# Altium PCB Dental Support.PcbDoc (part 2 of 2)
Units mm, origin at the board's own origin, x right, y up, seen from the top; angles counter-clockwise.
Board outline 100 x 55 mm, 2 copper layers (Top Layer, Bottom Layer); 47 components, 41 nets, 177 pads, 86 vias.
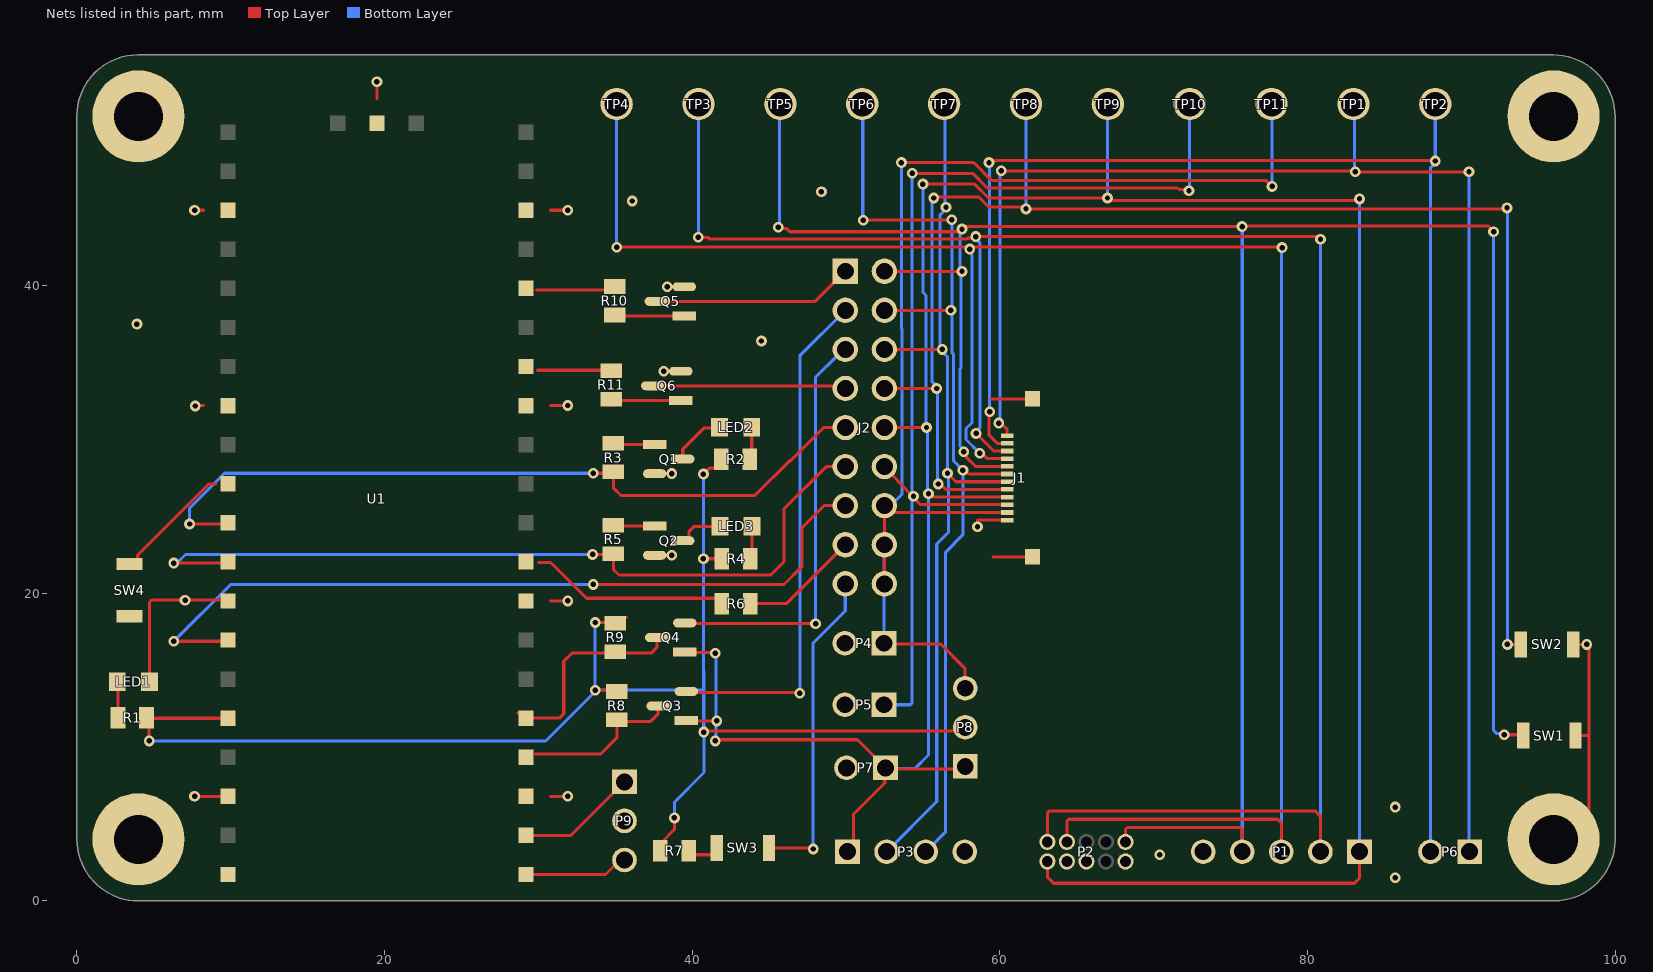
[diagram p2: the nets of this part, all layers, seen from the top]

## Part data
J1: library part CMP-1241-00358-1, "0.5 mm Pitch Easy-On(TM) Type FPC Connector, 2.0 mm Mated Height, Right Angle, ZIF, SMT, Top Contact, 12 Circuits, -20 to 85 degC, ELV and RoHS Compliant, Tape and Reel", Current (Max per Contact)=0.5A, Manufacturer=Molex, Voltage (Max)=50V, Circuits (Loaded)=12, ComponentLink1Description="Manufacturer URL", ComponentLink1URL=http://www.molex.com/molex/index.jsp, ComponentLink2Description=Datasheet, ComponentLink2URL=http://www.molex.com/webdocs/datasheets/pdf/en-us/0527451297_FFC_FPC_CONNECTORS.pdf, ComponentLink3Description="Package Specification", ComponentLink3URL=http://www.molex.com/pdm_docs/sd/527451297_sd.pdf, Contact Position=Top, Durability (mating cycles max)=20, Entry Angle="90degrees Angle", Mated Height=2.00mm, Material - Metal="Phosphor Bronze", Material - Plating Mating=Gold, Material - Plating Termination=Gold, Mounting Technology="Surface Mount", Number of Rows=1, Orientation="Right Angle", PackageDescription="12-Lead FPC Connector, Pitch 0.5 mm", PackageReference=52745-1297, PackageVersion="Rev. C, 07/2010", Packing="Tape and Reel", PartNumber=52745-1297, PCB Locator=No, PCB Retention=Yes, Pitch - Mating Interface=0.50mm, Polarized to PCB=Yes, RoHS=TRUE, Stackable=No
J2: library part CMP-1502-01101-1, "THT Vertical Pin Header WR-PHD, Pitch 2.54 mm, Dual Row, 18 pins", Contact Resistance=20mOhm, Manufacturer="Wurth Elektronik", Operating Temperature=-40to105degC, Rated Current=3A, Withstanding Voltage=500VAC, Working Voltage=250VAC, Datasheet URL=https://katalog.we-online.de/em/datasheet/6130xx21121.pdf, Gender=Male, Manufacturer URL=http://www.we-online.de, Mounting Technology=THT, Orientation=Vertical, Package Reference=61301821121, Packaging=Bag, Part Number=61301821121, Pin Number=18, Pitch=2.54mm, Publisher=WurthElektronik, Row Number=Dual
LED1 LED2 LED3: library part CMP-1426-00010-2, "LED RED CLEAR 0805 SMD", Case Code (Imperial)=0805, Case Code (Metric)=2012, Color=Red, Forward Current=30mA, Forward Voltage=1.9V, Lens Color=Colorless, Max Operating Temperature=85°C, Min Operating Temperature=-40°C, Package Quantity=1, Test Current=20mA, Case/Package=0805, Dominant Wavelength=630nm, Height=0.8mm, Length=2mm, Lens Size=1.25mm, Lens Style=Clear, Lens Transparency=Clear, Luminous Intensity=60mcd, Mount="Surface Mount", Packaging="Cut Tape", RoHS Compliant=Yes, Series=WL-SMCW, Viewing Angle=140°, Wavelength=630nm, Width=1.25mm
P1: library part CMP-1502-01068-1, "THT Vertical Pin Header WR-PHD, Pitch 2.54 mm, Single Row, 5 pins", Contact Resistance=20mOhm, Manufacturer="Wurth Elektronik", Operating Temperature=-40to105degC, Rated Current=3A, Withstanding Voltage=500VAC, Working Voltage=250VAC, Datasheet URL=https://katalog.we-online.de/em/datasheet/6130xx11121.pdf, Gender=Male, Manufacturer URL=http://www.we-online.de, Mounting Technology=THT, Orientation=Vertical, Package Reference=61300511121, Packaging=Bag, Part Number=61300511121, Pin Number=5, Pitch=2.54mm, Publisher=WurthElektronik, Row Number=Single
P2: library part CMP-1502-00948-1, "THT Vertical Pin Header WR-PHD, Pitch 1.27 mm, Dual Row, 10 pins", Contact Resistance=20mOhm, Manufacturer="Wurth Elektronik", Operating Temperature=-40to105degC, Rated Current=1A, Withstanding Voltage=500VAC, Working Voltage=100VAC, Datasheet URL=https://katalog.we-online.de/em/datasheet/62201021121.pdf, Gender=Male, Manufacturer URL=http://www.we-online.de, Mounting Technology=THT, Orientation=Vertical, Package Reference=62201021121, Packaging=Box, Part Number=62201021121, Pin Number=10, Pitch=1.27mm, Publisher=WurthElektronik, Row Number=Dual
P3: library part CMP-1502-01064-1, "THT Vertical Pin Header WR-PHD, Pitch 2.54 mm, Single Row, 4 pins", Contact Resistance=20mOhm, Manufacturer="Wurth Elektronik", Operating Temperature=-40to105degC, Rated Current=3A, Withstanding Voltage=500VAC, Working Voltage=250VAC, Datasheet URL=https://katalog.we-online.de/em/datasheet/6130xx11121.pdf, Gender=Male, Manufacturer URL=http://www.we-online.de, Mounting Technology=THT, Orientation=Vertical, Package Reference=61300411121, Packaging=Bag, Part Number=61300411121, Pin Number=4, Pitch=2.54mm, Publisher=WurthElektronik, Row Number=Single
P4 P5 P6 P7: library part CMP-1712-00002-4, "THT Vertical Pin Header WR-PHD, Pitch 2.54 mm, Single Row, 2 pins", Contact Resistance=20mOhm, Manufacturer="Wurth Elektronik", Operating Temperature=-40to105degC, Rated Current=3A, Withstanding Voltage=500VAC, Working Voltage=250VAC, Datasheet URL=https://katalog.we-online.de/em/datasheet/6130xx11121.pdf, Gender=Male, Manufacturer URL=http://www.we-online.de, Mounting Technology=THT, Orientation=Vertical, Package Reference=61300211121, Packaging=Bag, Part Number=61300211121, Pin Number=2, Pitch=2.54mm, Publisher=WurthElektronik, Row Number=Single
P8 P9: library part CMP-1502-01062-1, "THT Vertical Pin Header WR-PHD, Pitch 2.54 mm, Single Row, 3 pins", Contact Resistance=20mOhm, Manufacturer="Wurth Elektronik", Operating Temperature=-40to105degC, Rated Current=3A, Withstanding Voltage=500VAC, Working Voltage=250VAC, Datasheet URL=https://katalog.we-online.de/em/datasheet/6130xx11121.pdf, Gender=Male, Manufacturer URL=http://www.we-online.de, Mounting Technology=THT, Orientation=Vertical, Package Reference=61300311121, Packaging=Bag, Part Number=61300311121, Pin Number=3, Pitch=2.54mm, Publisher=WurthElektronik, Row Number=Single
Q1 Q2 Q3 Q4 Q5 Q6: library part CMP-07173-000101-1, "MOSFET N-CH 50V 220MA SOT-23", Case/Package=SOT-23, Continuous Drain Current (ID)=220mA, Drain to Source Breakdown Voltage=50V, Drain to Source Resistance=3.5R, Gate to Source Voltage (Vgs)=20V, Input Capacitance=27pF, Max Operating Temperature=150°C, Max Power Dissipation=360mW, Min Operating Temperature=-55°C, On-State Resistance=6R, Package Quantity=1, Threshold Voltage=1.3V, Contact Plating=Tin, Current Rating=220mA, Drain to Source Voltage (Vdss)=50V, Dual Supply Voltage=50V, Element Configuration=Single, Fall Time=9ns, Height=0.93mm, Lead Free="Lead Free", Length=2.92mm, Mount="Surface Mount", Nominal Vgs=1.3V, Number of Elements=1, Number of Pins=3, Packaging="Tape and Reel", Power Dissipation=360mW, Radiation Hardening=No, Rds On Max=3.5R, REACH SVHC="No SVHC", Rise Time=9ns, Termination=SMD/SMT, Turn-Off Delay Time=20ns, Turn-On Delay Time=2.5ns, Voltage Rating (DC)=50V, Weight=0.03g, Width=1.3mm
R1 R2 R4: library part ERJ-6ENF2001V, "RES SMD 2K OHM 1% 1/8W 0805", Digi-Key Part Number=P2.00KCCT-ND, Manufacturer="Panasonic Electronic Components", Operating Temperature="-55°C ~ 155°C", Package / Case="0805 (2012 Metric)", Power (Watts)="0.125W, 1/8W", Supplier Device Package=0805, Temperature Coefficient=±100ppm/°C, Tolerance=±1%, @ qty=1500, Composition="Thick Film", Datasheets=http://industrial.panasonic.com/www-cgi/jvcr13pz.cgi?E+PZ+3+AOA0002+ERJ6ENF2001V+7+WW, Factory Stock=0, Failure Rate=-, Features="Automotive AEC-Q200", Height - Seated (Max)="0.028\" (0.70mm)", Image=//media.digikey.com/Renders/Panasonic%20Renders/ERJ-0805%20Pkg.jpg, Minimum Quantity=1, Number of Terminations=2, Packaging="Cut Tape (CT)", Part Number=ERJ-6ENF2001V, Part Status=Active, Quantity Available=732688, Series=ERJ, Size / Dimension="0.079\" L x 0.049\" W (2.00mm x 1.25mm)", Unit Price (USD)=0.00729
R3 R5 R6 R7 R10 R11: library part ERJ-6ENF1000V, "RES SMD 100 OHM 1% 1/8W 0805", Digi-Key Part Number=P100CCT-ND, Manufacturer="Panasonic Electronic Components", Operating Temperature="-55°C ~ 155°C", Package / Case="0805 (2012 Metric)", Power (Watts)="0.125W, 1/8W", Supplier Device Package=0805, Temperature Coefficient=±100ppm/°C, Tolerance=±1%, @ qty=1500, Composition="Thick Film", Datasheets=http://industrial.panasonic.com/www-cgi/jvcr13pz.cgi?E+PZ+3+AOA0002+ERJ6ENF1000V+7+WW, Factory Stock=0, Failure Rate=-, Features="Automotive AEC-Q200", Height - Seated (Max)="0.028\" (0.70mm)", Image=//media.digikey.com/Renders/Panasonic%20Renders/ERJ-0805%20Pkg.jpg, Minimum Quantity=1, Number of Terminations=2, Packaging="Cut Tape (CT)", Part Number=ERJ-6ENF1000V, Part Status=Active, Quantity Available=288663, Series=ERJ, Size / Dimension="0.079\" L x 0.049\" W (2.00mm x 1.25mm)", Unit Price (USD)=0.00729
R8 R9: library part ERJ-6ENF1002V, "RES SMD 10K OHM 1% 1/8W 0805", Digi-Key Part Number=P10.0KCCT-ND, Manufacturer="Panasonic Electronic Components", Operating Temperature="-55°C ~ 155°C", Package / Case="0805 (2012 Metric)", Power (Watts)="0.125W, 1/8W", Supplier Device Package=0805, Temperature Coefficient=±100ppm/°C, Tolerance=±1%, @ qty=1500, Composition="Thick Film", Datasheets=http://industrial.panasonic.com/www-cgi/jvcr13pz.cgi?E+PZ+3+AOA0002+ERJ6ENF1002V+7+WW, Factory Stock=0, Failure Rate=-, Features="Automotive AEC-Q200", Height - Seated (Max)="0.028\" (0.70mm)", Image=//media.digikey.com/Renders/Panasonic%20Renders/ERJ-0805%20Pkg.jpg, Minimum Quantity=1, Number of Terminations=2, Packaging="Cut Tape (CT)", Part Number=ERJ-6ENF1002V, Part Status=Active, Quantity Available=3985614, Series=ERJ, Size / Dimension="0.079\" L x 0.049\" W (2.00mm x 1.25mm)", Unit Price (USD)=0.00729
SW1 SW2 SW3 SW4: library part CMP-2100-03586-2, "SWITCH TACTILE SPST-NO 0.05A 12V", Contact Current Rating=50mA, Contact Resistance=100mR, Insulation Resistance=100MR, Max Operating Temperature=70°C, Max Voltage Rating (DC)=12V, Min Operating Temperature=-25°C, Operating Force=1.5N, Package Quantity=1, Ratings="Dust Proof", Actuator Length=0.4mm, Actuator Type=Standard, Contact Material=Silver, Current Rating=50mA, Depth=2.5mm, Electrical Life=200000Cycles, Height=1.2mm, Illumination Type=Non-Illuminated, Lead Free="Lead Free", Length=4mm, Max Current Rating=50mA, Mechanical Life=200000Cycles, Mount="Surface Mount", Orientation=Straight, Packaging="Tape and Reel", Switch Function=Off-Mom, Switch Travel=0.15mm, Termination=SMD/SMT, Throw Configuration=SPST, Voltage Rating (DC)=12V, Weight=0.000776oz, Width=3mm
TP1 TP2 TP3 TP4 TP5 TP6 TP7 TP8 TP9 TP10 TP11: library part CMP-1672-00003-4, "Test Point, Black, Through Hole, RoHS, Bulk", Colour=Black, Manufacturer=Keystone, Package Quantity=100, ComponentLink1Description="Manufacturer URL", ComponentLink1URL=http://www.keyelco.com/, ComponentLink2Description=Datasheet, ComponentLink2URL=http://www.keyelco.com/product-pdf.cfm?p=1320, Contact Material=Bronze, Contact Plating=Silver, DatasheetVersion="Rev. F, 12/2013", Height="8.12 mm", Mount="Through Hole", Mounting Technology="Through Hole", PackageDescription="1-Pin Through Hole Device, Dia 3.17 mm", PackageReference=5011, Packaging=Bulk, Pins=1, REACH SVHC="No SVHC", RoHSCompliant=true

## Free pads (board coordinates)
  round 6 hole 3.2: 2(4,4) 2(4,51) 2(96,4) 2(96,51)

## Via types
v1: diameter 0.7, hole 0.35, Top Layer to Bottom Layer, tented both sides, 83 vias
v2: diameter 0.7, hole 0.35, Top Layer to Bottom Layer, 3 vias

## Nets (pads, with @x,y where several pads share a name; then routed paths per layer and width w, separated by ;. In a path a pad name is that pad's centre, name@x,y a point inside that pad or via, vN(x,y) a via of type N, cw(c..) or ccw(c..) an arc to the next point about the centre after c; other vN are vias at no path point)
3V3: P8.2 R1.1 R2.1 R4.1 R7.1 R8.2 R9.2 U1.36 | length 97.1
  Top Layer w0.2: v2(4.7,10.4) 4.7,11.717 4.858,11.875 9.815,11.875 U1.36@9.82,11.88 ; v1(33.7,13.7) 35.016,13.7 R8.2@35.1,13.616 ; v1(33.7,18.1) 34.96,18.1 R9.2@35.01,18.05 35.385,18.425 35.718,18.425 ; R7.1@38,3.8 38.85,4.65 v1@38.85,5.4 ; v1(40.729,22.245) R4.1@41.92,22.245 ; v1(40.729,27.745) 41.118,28.135 41.401,28.135 41.839,28.572 R2.1@41.839,28.7 ; v1(40.75,10.975) 40.825,11.05 57.515,11.05 P8.2@57.75,11.285
  Bottom Layer w0.2: v2(4.7,10.4) 30.475,10.4 v1@33.775,13.7 ; v1@33.692,18.141 33.692,13.837 33.775,13.754 v1@33.775,13.7 ; v1(38.845,5.396) 38.845,6.42 40.77,8.345 40.77,10.955 v1(40.75,10.975) ; v1(40.729,27.745) v1(40.729,22.245) 40.739,22.235 40.739,14.925 ; v1@40.75,10.955 v1(40.75,10.975) ; 40.75,14.925 40.75,13.7 ; v1@33.775,13.7 40.75,13.7 ; v1(40.75,10.975) 40.75,13.7
5V: U1.40
CHARGE: R6.1 U1.9 | length 12.9
  Top Layer w0.2: 30.025,22 30.8,22 33.125,19.675 41.484,19.675 R6.1@41.834,19.325
CHARGE_BUTTON: J2.17 SW3.2 | length 21.2
  Top Layer w0.2: SW3.2@45,3.45 47.746,3.45 47.821,3.375 v1(47.875,3.375)
  Bottom Layer w0.2: v1(47.875,3.375) 47.85,3.4 47.85,16.75 49.95,18.85 J2.17@49.95,20.825
CHARGE_OUTPUT: J2.15 R6.2 | length 7.7
  Top Layer w0.2: R6.2@43.866,19.325 46.125,19.325 J2.15@49.955,23.155
GND: J1.1 J1.MP1 J1.MP2 LED1.1 P1.5 P2.3 P2.5 P2.9 P3.4 P4.2 P5.2 P7.2 P9.2 pad.2 Q1.2 Q2.2 Q5.2 Q6.2 SW1.1 SW2.1 SW4.1 U1.3 U1.8 U1.13 U1.18 U1.23 U1.28 U1.33 U1.38 U1.D2 | length 47.5
  Top Layer w0.2: LED1.1@4.725,14.25 4.725,19.433 4.842,19.55 9.225,19.55 ; v1@7.625,6.775 v1(7.65,6.8) U1.38@9.82,6.8 ; v1(7.65,44.9) 8.22,44.9 ; v1(7.7,32.175) 7.725,32.2 8.22,32.2 ; 19.51,52.15 v1@19.51,53.259 ; 30.8,6.8 v1@31.909,6.8 ; 30.8,19.5 v1@31.909,19.5 ; 30.8,32.2 v1@31.909,32.2 ; 30.8,44.9 v1@31.909,44.9 ; Q2.2@37.565,22.468 v1@38.674,22.468 ; Q1.2@37.565,27.775 v1@38.674,27.775 ; v1@38.151,34.436 Q6.2@39.26,34.436 ; v1@38.376,39.928 Q5.2@39.485,39.928 ; v2(58.55,24.325) 58.55,24.75 J1.1@60.476,24.75 ; 59.425,32.635 J1.MP2@62.123,32.635 ; 59.575,22.366 J1.MP1@62.123,22.366 ; pad.2@96,4 98.3,4 98.3,10.75 ; SW2.1@97.275,16.675 v1(98.15,16.675) 98.3,16.675 98.3,10.75 ; SW1.1@97.425,10.75 98.3,10.75
  other v1: 85.7,1.5 70.4,3 85.7,6.1 31.905,6.805 31.905,19.505 7.034,19.55 38.67,22.472 38.67,27.78 31.905,32.205 38.155,34.431 44.5,36.4 3.9,37.5 38.38,39.924 31.905,44.905 36.1,45.5 48.4,46.1 19.505,53.255
NetLED1_2: LED1.2 R1.2 | length 2.4
  Top Layer w0.2: LED1.2@2.6,14.225 LED1.2@2.625,14.25 2.625,13.816 2.675,13.766 R1.2@2.675,11.9
NetLED2_1: LED2.1 Q1.3 | length 3.5
  Top Layer w0.2: Q1.3@39.385,28.725 39.385,29.36 40.775,30.75 LED2.1@41.653,30.75
NetLED2_2: LED2.2 R2.2 | length 2.1
  Top Layer w0.2: R2.2@43.841,28.7 43.875,28.734 LED2.2@43.875,30.8
NetLED3_1: LED3.1 Q2.3 | length 3
  Top Layer w0.2: Q2.3@39.385,23.418 39.607,23.418 39.782,23.592 39.782,24.007 40.125,24.35 LED3.1@41.8,24.35
NetLED3_2: LED3.2 R4.2 | length 2.1
  Top Layer w0.2: R4.2@43.866,22.25 43.9,22.284 LED3.2@43.9,24.35
NetQ1_1: Q1.1 R3.2 | length 2.8
  Top Layer w0.2: R3.2@34.875,29.841 35.041,29.675 Q1.1@37.565,29.675
NetQ2_1: Q2.1 R5.2 | length 2.8
  Top Layer w0.2: R5.2@34.875,24.514 35.021,24.368 Q2.1@37.565,24.368
NetQ5_1: Q5.1 R10.2 | length 4.5
  Top Layer w0.2: R10.2@34.975,38.002 35.001,38.028 Q5.1@39.485,38.028
NetQ6_1: Q6.1 R11.2 | length 4.5
  Top Layer w0.2: R11.2@34.75,32.53 34.756,32.536 Q6.1@39.26,32.536
NetR7_2: R7.2 SW3.1 | length 2.2
  Top Layer w0.2: R7.2@39.638,3 41.3,3 41.6,3.3 SW3.1@41.6,3.45
P_RESET: R10.1 U1.16 | length 5.2
  Top Layer w0.2: 29.875,39.725 34.666,39.725 R10.1@34.975,40.034
P_WAKE_UP: R11.1 U1.14 | length 4.9
  Top Layer w0.2: 29.95,34.5 34.488,34.5 34.588,34.4 R11.1@34.75,34.562
PI_RX: P9.1 U1.2 | length 7.8
  Top Layer w0.2: U1.2@29.2,4.26 32.12,4.26 P9.1@35.6,7.74
PI_SCL: Q4.3 R9.1 U1.5 | length 13.8
  Top Layer w0.2: 28.65,12.225 U1.5@29.388,12.225 ; U1.5@29.2,11.88 31.355,11.88 31.65,12.175 31.65,15.575 32.184,16.109 35.01,16.109 37.334,16.109 37.7,16.475 Q4.3@37.7,17.125
PI_SDA: Q3.3 R8.1 U1.4 | length 10.2
  Top Layer w0.2: 29.8,9.55 34.05,9.55 35.1,10.6 35.1,11.675 37.3,11.675 37.79,12.165 Q3.3@37.79,12.671
PI_TX: P9.3 U1.1 | length 6.8
  Top Layer w0.2: U1.1@29.2,1.72 34.362,1.72 35.302,2.66 P9.3@35.6,2.66
PICO_RESET: SW4.2 U1.30 | length 7.9
  Top Layer w0.2: SW4.2@3.4,21.925 3.683,21.925 3.958,22.2 3.958,22.483 8.575,27.1 9.025,27.1
PZ1: J1.12 P6.1 TP1.1 | length 96.7
  Top Layer w0.2: v1(59.935,31.065) 60.071,31.065 60.435,30.7 60.476,30.7 J1.12@60.476,30.25 ; v1(60.1,47.472) 60.117,47.455 83.045,47.455 v1(83.1,47.4) v1(90.5,47.4)
  Bottom Layer w0.2: v1(59.935,31.065) 60.018,31.147 60.018,47.39 v1(60.1,47.472) ; TP1.1@83.006,51.8 83.044,51.762 83.044,47.456 v1(83.1,47.4) ; v1(90.5,47.4) 90.5,3.24 P6.1@90.54,3.2
PZ2: J1.11 P6.2 TP2.1 | length 97
  Top Layer w0.2: v1(59.3,48) 59.396,48.096 59.641,48.096 59.667,48.122 88.278,48.122 v1(88.3,48.1) ; v1(59.35,31.8) 59.285,31.735 59.285,30.299 59.834,29.75 J1.11@60.476,29.75
  Bottom Layer w0.2: v1(59.3,48) 59.325,47.975 59.325,31.825 v1(59.35,31.8) ; P6.2@88,3.2 88,47.665 88.3,47.965 v1(88.3,48.1) 88.305,48.105 TP2.1@88.305,51.799
RESET: J1.8 J2.2 P1.4 P2.10 SW1.2 TP5.1 | length 163.7
  Top Layer w0.2: v1(45.6,43.8) 45.696,43.704 46.146,43.704 46.35,43.5 57.535,43.5 v1@57.623,43.587 ; J2.2@52.495,40.935 52.5,40.93 57.533,40.93 v1(57.537,40.925) ; v1(57.537,43.672) v1@57.623,43.587 ; v1(57.65,29.2) 57.65,29.065 57.817,28.898 57.817,28.848 58.415,28.25 J1.8@60.476,28.25 ; P2.10@68.17,3.835 68.17,4.653 68.287,4.77 75.643,4.77 75.76,4.653 P1.4@75.76,3.2 ; v1(92.1,43.5) 92.1,43.52 91.733,43.887 75.798,43.887 v1(75.748,43.837) 57.838,43.837 57.623,43.622 v1@57.623,43.587 ; v2(92.8,10.8) 93.975,10.8 SW1.2@94.025,10.75
  Bottom Layer w0.2: v1(45.6,43.8) 45.667,43.867 45.667,52.255 TP5.1@45.706,52.294 ; v1@57.469,40.856 57.469,34.652 57.406,34.59 57.406,29.828 57.406,29.567 57.65,29.324 v1(57.65,29.2) ; v1(57.537,40.925) 57.442,41.021 57.442,41.25 57.4,41.292 57.4,43.4 57.537,43.537 v1(57.537,43.672) ; v1(75.748,43.837) 75.76,43.826 P1.4@75.76,3.2 ; v1(92.1,43.5) 92.1,11.075 92.279,10.896 92.704,10.896 v2(92.8,10.8)
S_RESET: J2.1 Q5.3 | length 13.1
  Top Layer w0.2: Q5.3@37.665,38.978 47.998,38.978 J2.1@49.955,40.935
S_SCL: J2.5 Q4.2 | length 27.3
  Top Layer w0.2: Q4.2@39.52,18.075 39.571,18.024 v1(48.022,18.024)
  Bottom Layer w0.2: v1(48.022,18.024) 48.022,34.035 49.437,35.45 J2.5@50.176,35.45
S_SDA: J2.3 Q3.2 | length 33.6
  Top Layer w0.2: Q3.2@39.61,13.621 39.671,13.561 46.939,13.561 v1(47,13.5)
  Bottom Layer w0.2: v1(47,13.5) 47,35.44 49.899,38.339 J2.3@49.899,38.425
S_VDDBAT: J2.9 R3.1 U1.31 | length 49.6
  Top Layer w0.2: v1(7.325,24.5) U1.31@9.34,24.5 ; v1(33.575,27.8) 34.866,27.8 34.875,27.809 34.875,26.85 35.375,26.35 44.075,26.35 46.369,28.644 46.419,28.644 48.55,30.775 J2.9@49.955,30.775
  Bottom Layer w0.2: v1(7.325,24.5) 7.325,25.525 9.6,27.8 v1(33.575,27.8)
S_VEXT: J2.11 R5.1 U1.32 | length 53
  Top Layer w0.2: v1(6.3,21.96) U1.32@9.34,21.96 ; v1(33.525,22.525) 34.832,22.525 34.875,22.482 34.875,21.55 35.237,21.188 45.113,21.188 45.975,22.05 45.975,25.5 48.71,28.235 J2.11@49.955,28.235
  Bottom Layer w0.2: v1(6.3,21.96) 6.492,21.96 7.057,22.525 v1(33.525,22.525)
S_VIN: J2.13 U1.34 | length 51.8
  Top Layer w0.2: v1(6.3,16.88) U1.34@9.34,16.88 ; v1(33.575,20.575) 45.975,20.575 47.15,21.75 47.15,24.275 48.57,25.695 J2.13@49.955,25.695
  Bottom Layer w0.2: v1(6.3,16.88) 9.995,20.575 v1(33.575,20.575)
S_WAKE_UP: J2.7 Q6.3 | length 12.3
  Top Layer w0.2: Q6.3@37.44,33.486 J2.7@49.725,33.486
SCL: J1.6 J2.6 P3.2 TP7.1 | length 58.7
  Top Layer w0.2: J2.6@52.495,35.855 v1(56.25,35.855) ; v1(56.6,27.8) 57.15,27.25 J1.6@60.476,27.25
  Bottom Layer w0.2: P3.2@52.64,3.2 55.9,6.46 55.9,23.2 56.65,23.95 56.65,27.75 v1(56.6,27.8) 56.6,35.37 56.346,35.624 56.346,35.796 56.39,35.84 56.265,35.84 v1(56.25,35.855) 56.25,35.99 56.1,36.14 56.1,44.581 56.5,44.981 v1(56.5,45.1) 56.439,45.161 56.439,51.733 TP7.1@56.389,51.783
SDA: J1.7 J2.4 P3.3 TP6.1 | length 64.1
  Top Layer w0.2: v1(51.126,44.246) 51.366,44.246 51.397,44.276 v1(56.87,44.276) ; J2.4@52.495,38.395 v1(56.819,38.395) ; v1(57.6,28) 57.735,28 57.985,27.75 J1.7@60.476,27.75
  Bottom Layer w0.2: TP6.1@51.006,52.794 51.006,51.8 51.091,51.715 51.091,44.281 v1(51.126,44.246) ; P3.3@55.18,3.2 56.475,4.495 56.475,22.675 57.6,23.8 v1(57.6,28) 57,28.6 57,35.535 56.9,35.635 56.9,38.375 v1@56.91,38.385 ; v1(56.819,38.395) 56.885,38.461 56.885,44.262 v1(56.87,44.276) ; v1@56.885,38.41 v1@56.9,38.395
SWCLK: J1.9 P1.3 P2.4 TP4.1 | length 125.2
  Top Layer w0.2: TP4.1@35,51.71 TP4.1@35.09,51.8 ; v1(35.1,42.5) 57.875,42.5 v1@58.05,42.5 ; v1(58.05,42.372) v1@58.05,42.5 ; v1(58.7,29.1) 58.835,29.1 59.185,28.75 J1.9@60.476,28.75 ; P2.4@64.36,3.835 64.36,5.193 64.477,5.31 78.065,5.31 78.3,5.075 P1.3@78.3,3.2 ; v1@78.349,42.5 v1@58.05,42.5
  Bottom Layer w0.2: TP4.1@35.09,51.8 35.09,42.51 v1(35.1,42.5) ; v1(58.05,42.372) 58.146,42.277 58.146,42.047 58.188,42.005 58.188,31.087 57.806,30.706 57.806,29.994 v1(58.7,29.1) ; P1.3@78.3,3.2 78.3,42.473 v1@78.3,42.525
  other v1: 78.349,42.473
SWDIO: J1.10 P1.2 P2.2 TP3.1 | length 126.8
  Top Layer w0.2: v1(40.4,43.15) 40.427,43.123 41.05,43.123 41.15,43.022 57.842,43.022 57.911,43.092 58.401,43.092 58.415,43.078 58.415,43.17 v1(58.432,43.187) 80.545,43.187 80.711,43.021 v1(80.846,43.021) ; v1(58.456,30.392) 59.599,29.25 59.673,29.25 J1.10@60.476,29.25 ; P2.2@63.09,3.835 63.09,5.723 63.207,5.84 80.51,5.84 80.84,5.51 P1.2@80.84,3.2
  Bottom Layer w0.2: v1(40.4,43.15) 40.406,43.156 40.406,51.794 TP3.1@40.412,51.8 ; v1(58.432,43.187) 58.432,43.052 58.7,42.784 58.7,30.76 58.456,30.516 v1(58.456,30.392) ; P1.2@80.84,3.2 80.84,43.021 v1@80.84,43.025
VDDBAT: J1.4 J2.10 P1.1 P2.1 P3.1 P7.1 P8.1 Q3.1 Q4.1 TP9.1 | length 181.7
  Top Layer w0.2: Q4.1@40.175,16.157 40.175,16.145 40.182,16.138 41.463,16.138 v1(41.5,16.1) ; Q3.1@40.275,11.7 v1(41.6,11.7) ; v1(41.5,10.4) 41.575,10.475 50.745,10.475 P7.1@52.57,8.65 52.517,8.597 52.517,7.667 50.483,5.633 50.483,3.583 P3.1@50.1,3.2 ; P7.1@52.395,8.575 P8.1@57.725,8.575 ; J2.10@52.495,30.775 v1(55.232,30.775) ; v1(55,46.6) 58.366,46.6 59.266,45.7 67.135,45.7 67.313,45.522 83.016,45.522 83.036,45.542 83.288,45.542 v1(83.383,45.637) ; v1(55.364,26.464) 55.499,26.464 55.713,26.25 J1.4@60.476,26.25 ; P2.1@63.09,2.565 63.09,1.56 63.5,1.15 83.05,1.15 83.38,1.48 P1.1@83.38,3.2
  Bottom Layer w0.2: v1(41.5,10.4) 41.55,10.45 41.55,11.65 v1(41.6,11.7) 41.55,11.75 41.55,16.05 v1(41.5,16.1) ; P7.1@52.57,8.65 52.62,8.6 54.475,8.6 55.364,9.489 55.364,26.327 v1@55.5,26.464 ; v1(55,46.6) 55,39.568 55.2,39.368 55.2,31.06 55.35,30.91 v1@55.35,30.775 ; v1(55.232,30.775) v1@55.35,30.775 ; v1(55.364,26.464) v1@55.5,26.464 ; v1(67,45.7) 67.011,45.711 TP9.1@67.011,51.795 ; P1.1@83.38,3.2 83.38,45.634 v1(83.383,45.637) ; v1@55.35,30.775 55.298,30.723 55.298,26.666 v1@55.5,26.464
VEXT: J1.3 J2.12 P5.1 TP10.1 | length 69.4
  Top Layer w0.2: J2.12@52.495,28.235 54.8,25.8 54.825,25.775 60.451,25.775 J1.3@60.476,25.75 ; v1(54.3,47.3) 58.231,47.3 59.181,46.35 71.55,46.35 71.65,46.25 72.222,46.25 v1(72.3,46.172)
  Bottom Layer w0.2: P5.1@52.47,12.75 54.183,12.75 54.3,12.867 54.3,26.313 v1(54.3,47.3) ; v1(72.3,46.172) 72.322,46.194 TP10.1@72.322,51.784
  other v1: 54.388,26.313
Vin: J1.2 J2.14 J2.16 J2.18 P4.1 P8.3 TP11.1 | length 78.7
  Top Layer w0.2: P4.1@52.47,16.75 52.52,16.7 56.15,16.7 57.725,15.125 P8.3@57.725,14.025 ; J2.18@52.495,20.615 J2.16@52.495,23.155 J2.14@52.495,25.25 ; J2.14@52.503,25.695 J2.14@52.495,25.695 J2.14@52.495,25.25 ; v1(53.6,48) 58.3,48 59.478,46.822 77.328,46.822 v1(77.7,46.45) ; J1.2@60.476,25.25 J2.14@52.495,25.25
  Bottom Layer w0.2: P4.1@52.47,16.75 J2.16@52.47,22.5 ; J2.14@52.8,25.6 53.65,26.45 53.65,37.18 53.62,37.21 53.62,47.98 v1(53.6,48) ; v1(77.7,46.45) 77.706,46.456 TP11.1@77.706,51.8
WAKE_UP: J1.5 J2.8 SW2.2 TP8.1 | length 100.6
  Top Layer w0.2: J2.8@52.495,33.315 v1(55.89,33.315) ; v1(55.7,45.7) 55.75,45.75 58.65,45.75 59.3,45.1 v1@61.7,45.1 ; v1(56,27.1) 56.135,27.1 56.485,26.75 J1.5@60.476,26.75 ; v1@61.7,45.05 v1(61.7,44.987) 92.912,44.987 v1(92.975,45.05) ; v1@92.975,16.65 v1(93,16.675) SW2.2@93.875,16.675
  Bottom Layer w0.2: v1(55.7,45.7) 55.604,45.604 55.604,45.337 55.6,45.333 55.6,33.74 55.89,33.45 v1(55.89,33.315) 55.945,33.26 55.945,27.155 v1(56,27.1) ; v1(61.7,44.987) TP8.1@61.7,51.794 ; v1@92.95,45.075 v1(92.975,45.05) 93,45.025 v1(93,16.675)
pads on no net: P2.6 P2.7 P2.8 U1.6 U1.7 U1.10 U1.11 U1.12 U1.15 U1.17 U1.19 U1.20 U1.21 U1.22 U1.24 U1.25 U1.26 U1.27 U1.29 U1.35 U1.37 U1.39 U1.D1 U1.D3

## Polygon pours and split planes (outlines as drawn)
GND on Bottom Layer "GND_L02_P000" (solid, pour order 0): 0,0 0,55 100,55 100,0
GND on Top Layer "GND_L01_P001" (solid, pour order 1): 0,0 0,55 100,55 100,0

## Other copper
Top Layer:
  drawing of 24 lines, arcs and shapes, not listed
  text "Embedded and  / Networked Systems" at 81.2,9.95 h1.25
Multi-Layer:
  pour cut-out: 100.058,7.125 62.7,7.125 cw(c62.7,9.625) 60.2,9.625 60.2,44.925 cw(c62.7,44.925) 62.7,47.425 100.008,47.425

## Silkscreen, mask and mechanical layers (free items; w line width, h text height)
Top Overlay:
  drawing of 68 lines, arcs and shapes, not listed
  text "SWCLK" at 32.875,48.45 h1.25
  text "SWDIO" at 38.197,48.45 h1.25
  text "RESET" at 43.519,48.45 h1.25
  text "SDA" at 48.841,48.45 h1.25
  text "SCL" at 54.163,48.45 h1.25
  text "WAKE" at 59.485,48.45 h1.25
  text "VDD" at 64.807,48.45 h1.25
  text "VEXT" at 70.129,48.45 h1.25
  text "VIN" at 75.451,48.45 h1.25
  text "PZ1" at 80.773,48.45 h1.25
  text "PZ2" at 86.095,48.45 h1.25
  text "e" at 1.25,40.025 h8
  text "RST" at 54.992,39.493 h1 r90
  text "SDA" at 54.992,36.953 h1 r90
  text "SCL" at 54.992,34.725 h1 r90
  text "WAKE" at 54.992,31.873 h1 r90
  text "VDD" at 41.238,31.85 h1
  text "VDD" at 54.992,29.575 h1 r90
  text "VEXT" at 54.992,26.793 h1 r90
  text "-SENSOR" at 88.35,26.775 h2
  text "VEXT" at 41.288,25.4 h1
  text "VIN" at 54.992,19.1 h1 r90
  text "WAKE UP" at 92.775,18.5 h1.25
  text "3V3" at 2.038,15.5 h1.25
  text "VIN" at 55.067,15.308 h1 r90
  text "RESET" at 92.925,12.575 h1.25
  text "VEXT" at 55.067,11.308 h1 r90
  text "VDD" at 55.167,7.208 h1 r90
  text "VDD  3V3  VIN" at 60.4,7.225 h1.25 r90
  text "CHARGE" at 40.5,5.275 h1.25
  text "SWD" at 62.225,5.025 h1.25
  text "VDD   SCL   SDA   GND" at 48.588,4.59 h1
  text "GND    RTS    CLK    IO    VDD" at 71.708,4.59 h1
  text "PZ2     PZ1" at 86.475,4.59 h1
Top Solder:
  region: 61.175,9.574 61.175,14.425 cw(c61.6,14.425) 61.6,14.85 74.9,14.85 cw(c74.9,14.4) 75.35,14.4 75.35,9.851 cw(c74.623,9.85) 74.624,9.124 61.649,9.101 cw(c61.649,9.574)
  region: 76.575,9.924 76.575,14.325 cw(c77.135,14.325) 77.135,14.885 91.615,14.885 cw(c91.615,14.375) 92.125,14.375 92.125,9.625 cw(c91.662,9.625) 91.663,9.162 77.364,9.137 cw(c77.362,9.924)
Mechanical 1:
  the board outline again, w0.5
Board Outline:
  the board outline again, w0.5
Drill Drawing:
  circle w0.254: c106.156,33.89 r0.847
  lines w0.254: 105.309,36.854 107.003,36.854 107.003,38.547 105.309,38.547 105.309,36.854 ; 105.309,41.087 105.733,41.087 106.156,40.664 106.579,41.087 107.003,41.087 106.579,41.51 107.003,41.933 106.579,41.933 106.156,42.357 105.733,41.933 105.309,41.933 105.733,41.51 105.309,41.087 ; 105.309,46.167 107.003,46.167 106.156,44.474 105.309,46.167 ; 105.309,48.707 105.733,48.707 105.733,48.284 106.579,48.284 106.579,48.707 107.003,48.707 107.003,49.553 106.579,49.553 106.579,49.977 105.733,49.977 105.733,49.553 105.309,49.553 105.309,48.707
  lines w0.381: 103.791,31.901 267.119,31.901 ; 103.791,50.951 267.119,50.951 ; 117.783,28.091 117.783,54.761 ; 132.765,28.091 132.765,54.761 ; 162.474,28.091 162.474,54.761 ; 175.323,28.091 175.323,54.761 ; 193.962,28.091 193.962,54.761 ; 232.05,28.091 232.05,54.761 ; 247.033,28.091 247.033,54.761 ; 103.791,28.091 267.119,28.091 267.119,54.761 103.791,54.761 103.791,28.091
  text "Symbol" at 106.077,52.094 h1.83
  text "Count" at 118.926,52.094 h1.83
  text "Hole Size" at 133.908,52.094 h1.83
  text "Plated" at 163.617,52.094 h1.83
  text "Hole Type" at 176.466,52.094 h1.83
  text "Drill Layer Pair" at 195.105,52.094 h1.83
  text "Via/Pad" at 233.193,52.094 h1.83
  text "Pad Shape" at 248.176,52.094 h1.83
  text "4" at 118.926,48.284 h1.52
  text "3,200mm (125,98mil)" at 133.908,48.284 h1.52
  text "PTH" at 163.617,48.284 h1.52
  text "Round" at 176.466,48.284 h1.52
  text "Top Layer - Bottom Layer" at 195.105,48.284 h1.52
  text "Pad" at 233.193,48.284 h1.52
  text "Rounded" at 248.176,48.284 h1.52
  text "10" at 118.926,44.474 h1.52
  text "0,700mm (27,56mil)" at 133.908,44.474 h1.52
  text "PTH" at 163.617,44.474 h1.52
  text "Round" at 176.466,44.474 h1.52
  text "Top Layer - Bottom Layer" at 195.105,44.474 h1.52
  text "Pad" at 233.193,44.474 h1.52
  text "Rounded" at 248.176,44.474 h1.52
  text "11" at 118.926,40.664 h1.52
  text "1,600mm (62,99mil)" at 133.908,40.664 h1.52
  text "PTH" at 163.617,40.664 h1.52
  text "Round" at 176.466,40.664 h1.52
  text "Top Layer - Bottom Layer" at 195.105,40.664 h1.52
  text "Pad" at 233.193,40.664 h1.52
  text "Rounded" at 248.176,40.664 h1.52
  text "41" at 118.926,36.854 h1.52
  text "1,100mm (43,31mil)" at 133.908,36.854 h1.52
  text "PTH" at 163.617,36.854 h1.52
  text "Round" at 176.466,36.854 h1.52
  text "Top Layer - Bottom Layer" at 195.105,36.854 h1.52
  text "Pad" at 233.193,36.854 h1.52
  text "(Mixed)" at 248.176,36.854 h1.52
  text "86" at 118.926,33.044 h1.52
  text "0,350mm (13,78mil)" at 133.908,33.044 h1.52
  text "PTH" at 163.617,33.044 h1.52
  text "Round" at 176.466,33.044 h1.52
  text "Top Layer - Bottom Layer" at 195.105,33.044 h1.52
  text "Via" at 233.193,33.044 h1.52
  text "Rounded" at 248.176,33.044 h1.52
  text "152 Total" at 118.926,29.234 h1.52